# KiCad board 32-channel_current_source.kicad_pcb (continued)
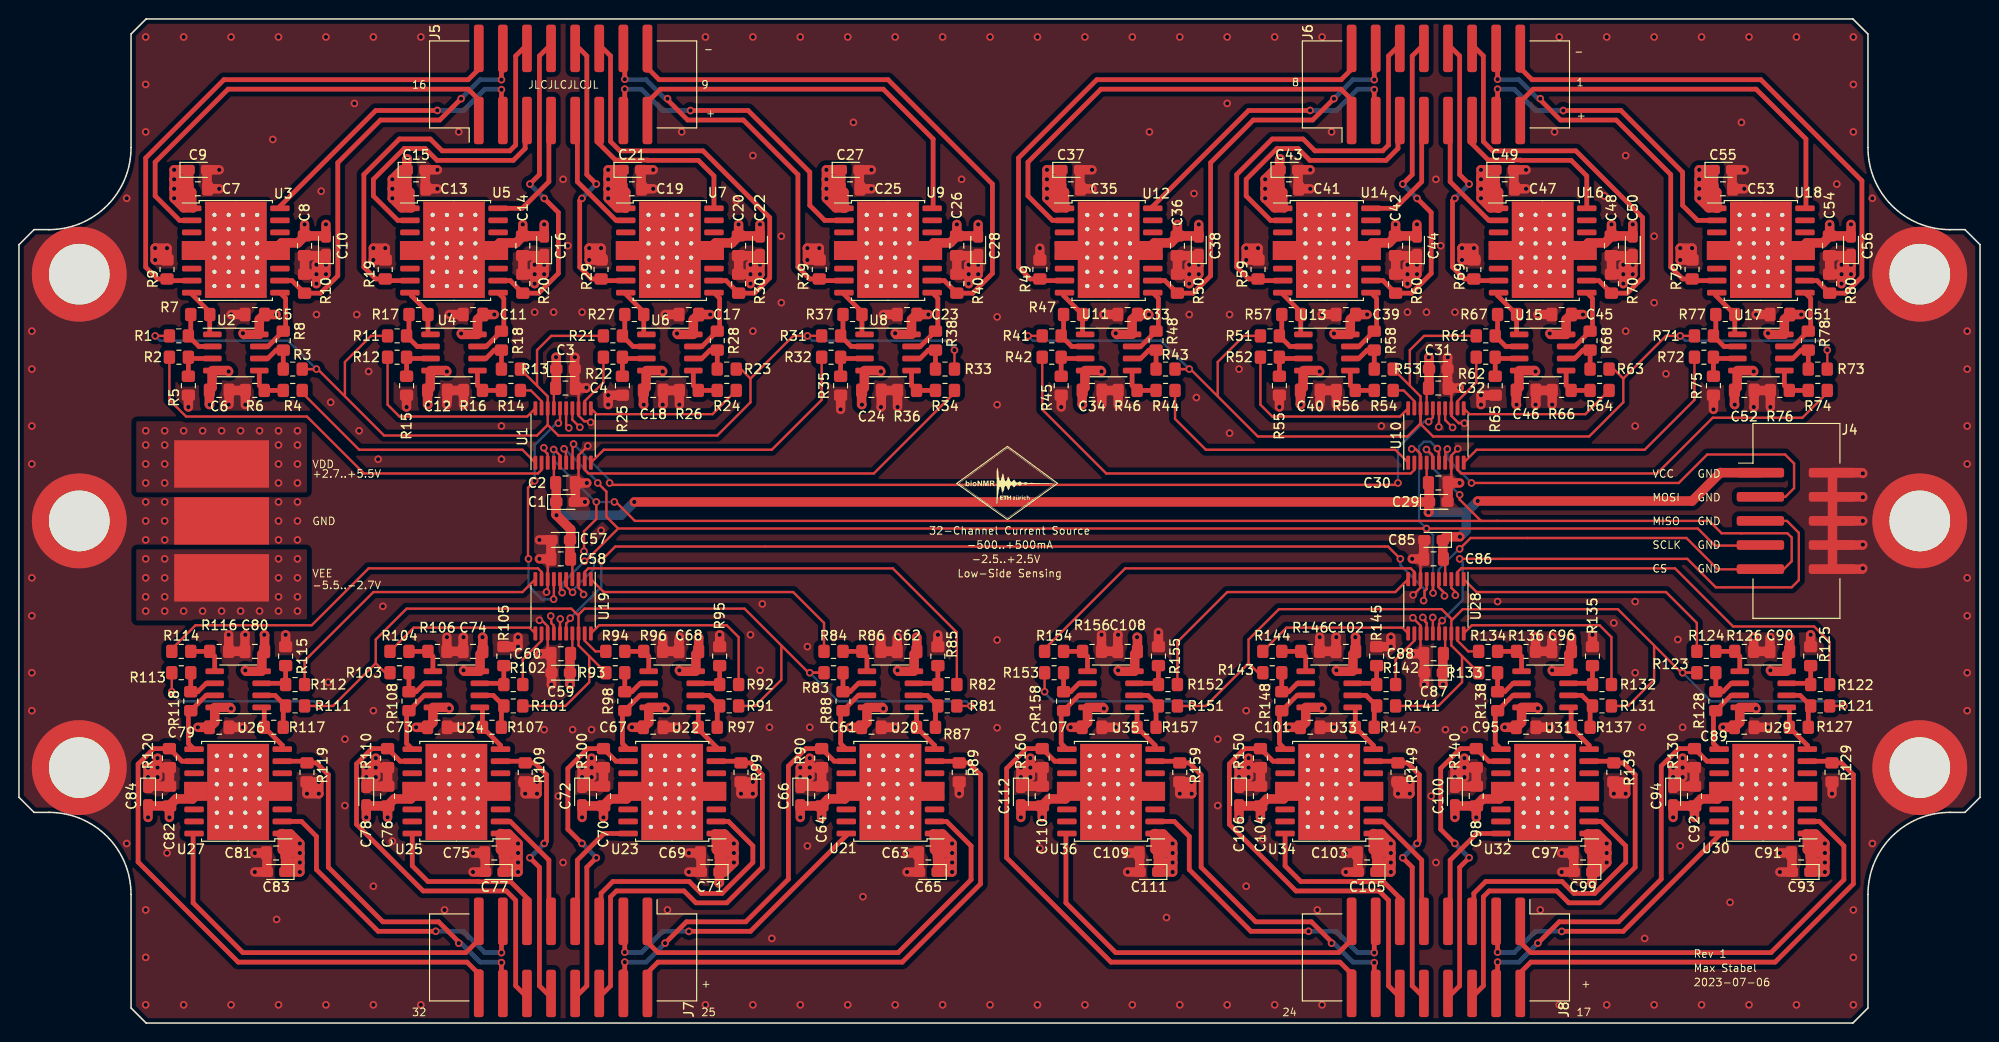
[diagram p0: board, top side]
## Placement (name value [footprint] x y rotation side) (continued)
U13  LMV358  [SOIC-8_3.9x4.9mm_P1.27mm]  137.86 70.67 0 top
U14  NCV0372  [SOIC-16W_7.5x10.3mm_P1.27mm_ThermalVias]  137.86 81.42 0 top
U15  LMV358  [SOIC-8_3.9x4.9mm_P1.27mm]  160.61 70.67 0 top
U16  NCV0372  [SOIC-16W_7.5x10.3mm_P1.27mm_ThermalVias]  160.61 81.42 0 top
U17  LMV358  [SOIC-8_3.9x4.9mm_P1.27mm]  183.61 70.67 0 top
U18  NCV0372  [SOIC-16W_7.5x10.3mm_P1.27mm_ThermalVias]  183.61 81.42 0 top
U19  AD5676R  [TSSOP-20_4.4x6.5mm_P0.65mm]  57.36 43.92 270 top
U20  LMV358  [SOIC-8_3.9x4.9mm_P1.27mm]  91.86 35.17 180 top
U21  NCV0372  [SOIC-16W_7.5x10.3mm_P1.27mm_ThermalVias]  91.86 24.42 180 top
U22  LMV358  [SOIC-8_3.9x4.9mm_P1.27mm]  68.86 35.17 180 top
U23  NCV0372  [SOIC-16W_7.5x10.3mm_P1.27mm_ThermalVias]  68.86 24.42 180 top
U24  LMV358  [SOIC-8_3.9x4.9mm_P1.27mm]  46.11 35.17 180 top
U25  NCV0372  [SOIC-16W_7.5x10.3mm_P1.27mm_ThermalVias]  46.11 24.42 180 top
U26  LMV358  [SOIC-8_3.9x4.9mm_P1.27mm]  23.11 35.17 180 top
U27  NCV0372  [SOIC-16W_7.5x10.3mm_P1.27mm_ThermalVias]  23.11 24.42 180 top
U28  AD5676R  [TSSOP-20_4.4x6.5mm_P0.65mm]  149.36 43.92 270 top
U29  LMV358  [SOIC-8_3.9x4.9mm_P1.27mm]  183.86 35.17 180 top
U30  NCV0372  [SOIC-16W_7.5x10.3mm_P1.27mm_ThermalVias]  183.86 24.42 180 top
U31  LMV358  [SOIC-8_3.9x4.9mm_P1.27mm]  160.86 35.17 180 top
U32  NCV0372  [SOIC-16W_7.5x10.3mm_P1.27mm_ThermalVias]  160.86 24.42 180 top
U33  LMV358  [SOIC-8_3.9x4.9mm_P1.27mm]  138.11 35.17 180 top
U34  NCV0372  [SOIC-16W_7.5x10.3mm_P1.27mm_ThermalVias]  138.11 24.42 180 top
U35  LMV358  [SOIC-8_3.9x4.9mm_P1.27mm]  115.11 35.17 180 top
U36  NCV0372  [SOIC-16W_7.5x10.3mm_P1.27mm_ThermalVias]  115.11 24.42 180 top

## Library data of the parts
C1 C3 C9 C10 C15 C16 C21 C22 C27-C29 C31 C37 C38 C43 C44 C49 C50 C55-C57 C59 C65 C66 C71 C72 C77 C78 C83-C85 C87 C93 C94 C99 C100 C105 C106 C111 C112 = -: Description: Polarized capacitor; MPN: TMCP1A106KTRF; Mouser: 74-TMCP1A106KTRF; Notes: Tantalum Bead
C2 C4-C8 C11-C14 C17-C20 C23-C26 C30 C32-C36 C39-C42 C45-C48 C51-C54 C58 C60-C64 C67-C70 C73-C76 C79-C82 C86 C88-C92 C95-C98 C101-C104 C107-C110 = -: Description: Unpolarized capacitor; MPN: 0805ZD104KAT2A; Mouser: 581-0805ZD104KAT2A; Notes: ceramic, low ESR, low ESI
H1-H6 = -: Description: Mounting Hole with connection
J1-J3 = -: Description: Generic connector, single row, 01x01, script generated (kicad-library-utils/schlib/autogen/connector/)
J4 = -: Description: Generic connector, double row, 02x05, odd/even pin numbering scheme (row 1 odd numbers, row 2 even numbers), script generated (kicad-library-utils/schlib/autogen/connector/)
J5-J8 = -: Description: Generic connector, double row, 02x08, odd/even pin numbering scheme (row 1 odd numbers, row 2 even numbers), script generated (kicad-library-utils/schlib/autogen/connector/); DigiKey: S9187-ND; MPN: SBH11-NBPC-D08-SM-BK
R1 R3 R11 R13 R21 R23 R31 R33 R41 R43 R51 R53 R61 R63 R71 R73 R81 R83 R91 R93 R101 R103 R111 R113 R121 R123 R131 R133 R141 R143 R151 R153 = -: Description: Resistor; MPN: RT0805FRE1310KL; Mouser: 603-RT0805FRE1310KL
R2 R4-R8 R12 R14-R18 R22 R24-R28 R32 R34-R38 R42 R44-R48 R52 R54-R58 R62 R64-R68 R72 R74-R78 R82 R84-R88 R92 R94-R98 R102 R104-R108 R112 R114-R118 R122 R124-R128 R132 R134-R138 R142 R144-R148 R152 R154-R158 = -: Description: Resistor
R9 R10 R19 R20 R29 R30 R39 R40 R49 R50 R59 R60 R69 R70 R79 R80 R89 R90 R99 R100 R109 R110 R119 R120 R129 R130 R139 R140 R149 R150 R159 R160 = -: Description: Resistor; MPN: ERJ-6DQF1R0V; Mouser: 667-ERJ-6DQF1R0V
U1 U10 U19 U28 = -: Description: 16-bit, octa-channel voltage output DAC with 2.5V 2ppm/K internal reference, SPI Interface
U2 U4 U6 U8 U11 U13 U15 U17 U20 U22 U24 U26 U29 U31 U33 U35 = -: Description: Dual Low-Voltage Rail-to-Rail Output Operational Amplifiers, SOIC-8/SSOP-8
U3 U5 U7 U9 U12 U14 U16 U18 U21 U23 U25 U27 U30 U32 U34 U36 = -: Description: Dual Power Operation Amplifier, SOIC-16W, 1.0 A Output Current; MPN: NCV0372BDWR2G; Mouser: 863-NCV0372BDWR2G

## Footprints (pads in the part's own frame, mm; a bottom-side part is the same pattern mirrored in y, then rotated)
C_0805_2012Metric_Pad1.18x1.45mm_HandSolder
  rrect 1.175x1.45 smd: 1(-1.038,0) 2(1.038,0)
CP_EIA-2012-15_AVX-P_Pad1.30x1.05mm_HandSolder
  rrect 1.3x1.05 smd: 1(-0.975,0) 2(0.975,0)
IDC-Header_2x05_P2.54mm_Vertical_SMD
  rrect 5x1.02 smd: 1(-3.8,5.08) 2(3.8,5.08) 3(-3.8,2.54) 4(3.8,2.54) 5(-3.8,0) 6(3.8,0) 7(-3.8,-2.54) 8(3.8,-2.54) 9(-3.8,-5.08) 10(3.8,-5.08)
IDC-Header_2x08_P2.54mm_Vertical_SMD
  rrect 5x1.02 smd: 1(-3.8,8.89) 2(3.8,8.89) 3(-3.8,6.35) 4(3.8,6.35) 5(-3.8,3.81) 6(3.8,3.81) 7(-3.8,1.27) 8(3.8,1.27) 9(-3.8,-1.27) 10(3.8,-1.27) 11(-3.8,-3.81) 12(3.8,-3.81) 13(-3.8,-6.35) 14(3.8,-6.35) 15(-3.8,-8.89) 16(3.8,-8.89)
MountingHole_6.4mm_M6_ISO14580_Pad
  round 10 hole 6.4: 1(0,0)
R_0805_2012Metric_Pad1.20x1.40mm_HandSolder
  rrect 1.2x1.4 smd: 1(-1,0) 2(1,0)
SOIC-8_3.9x4.9mm_P1.27mm
  rrect 1.95x0.6 smd: 1(-2.475,1.905) 2(-2.475,0.635) 3(-2.475,-0.635) 4(-2.475,-1.905) 5(2.475,-1.905) 6(2.475,-0.635) 7(2.475,0.635) 8(2.475,1.905)
SOIC-16W_7.5x10.3mm_P1.27mm_ThermalVias
  rrect 2.05x0.6 smd: 1(-4.65,4.445) 2(-4.65,3.175) 3(-4.65,1.905) 4(-4.65,0.635) 4(-4.65,-0.635) 4(4.65,0.635) 4(4.65,-0.635) 6(-4.65,-1.905) 7(-4.65,-3.175) 8(-4.65,-4.445) 9(4.65,-4.445) 10(4.65,-3.175) 11(4.65,-1.905) 14(4.65,1.905) 15(4.65,3.175) 16(4.65,4.445)
  rect 2.6x2 smd: 4(-4.4,0)
  round 0.8 hole 0.45: 4(-2.25,3.75) 4(-2.25,2.25) 4(-2.25,0.75) 4(-2.25,-0.75) 4(-2.25,-2.25) 4(-2.25,-3.75) 4(-0.75,3.75) 4(-0.75,2.25) 4(-0.75,0.75) 4(-0.75,-0.75) 4(-0.75,-2.25) 4(-0.75,-3.75) 4(0.75,3.75) 4(0.75,2.25) 4(0.75,0.75) 4(0.75,-0.75) 4(0.75,-2.25) 4(0.75,-3.75) 4(2.25,3.75) 4(2.25,2.25) 4(2.25,0.75) 4(2.25,-0.75) 4(2.25,-2.25) 4(2.25,-3.75)
  rect 6.5x10.15 smd: 4(0,0.075)
  rect 6.5x10.15 smd far side: 4(0,0.075)
  rect 2.5x2 smd: 4(4.45,0)
SolderWirePad_1x01_SMD_5x10mm
  rect 5x10 smd: 1(0,0)
TSSOP-20_4.4x6.5mm_P0.65mm
  rrect 1.475x0.4 smd: 1(-2.862,2.925) 2(-2.862,2.275) 3(-2.862,1.625) 4(-2.862,0.975) 5(-2.862,0.325) 6(-2.862,-0.325) 7(-2.862,-0.975) 8(-2.862,-1.625) 9(-2.862,-2.275) 10(-2.862,-2.925) 11(2.862,-2.925) 12(2.862,-2.275) 13(2.862,-1.625) 14(2.862,-0.975) 15(2.862,-0.325) 16(2.862,0.325) 17(2.862,0.975) 18(2.862,1.625) 19(2.862,2.275) 20(2.862,2.925)

## Nets
GND: C1.2 C2.2 C3.2 C4.2 C5.2 C6.1 C7.2 C8.1 C9.2 C10.1 C11.2 C12.1 C13.2 C14.1 C15.2 C16.1 C17.2 C18.1 C19.2 C20.1 C21.2 C22.1 C23.2 C24.1 C25.2 C26.1 C27.2 C28.1 C29.2 C30.2 C31.2 C32.2 C33.2 C34.1 C35.2 C36.1 C37.2 C38.1 C39.2 C40.1 C41.2 C42.1 C43.2 C44.1 C45.2 C46.1 C47.2 C48.1 C49.2 C50.1 C51.2 C52.1 C53.2 C54.1 C55.2 C56.1 C57.2 C58.2 C59.2 C60.2 C61.2 C62.1 C63.2 C64.1 C65.2 C66.1 C67.2 C68.1 C69.2 C70.1 C71.2 C72.1 C73.2 C74.1 C75.2 C76.1 C77.2 C78.1 C79.2 C80.1 C81.2 C82.1 C83.2 C84.1 C85.2 C86.2 C87.2 C88.2 C89.2 C90.1 C91.2 C92.1 C93.2 C94.1 C95.2 C96.1 C97.2 C98.1 C99.2 C100.1 C101.2 C102.1 C103.2 C104.1 C105.2 C106.1 C107.2 C108.1 C109.2 C110.1 C111.2 C112.1 H1.1 H2.1 H3.1 H4.1 H5.1 H6.1 J2.1 J4.2 J4.4 J4.6 J4.8 J4.10 R5.2 R6.2 R9.2 R10.2 R15.2 R16.2 R19.2 R20.2 R25.2 R26.2 R29.2 R30.2 R35.2 R36.2 R39.2 R40.2 R45.2 R46.2 R49.2 R50.2 R55.2 R56.2 R59.2 R60.2 R65.2 R66.2 R69.2 R70.2 R75.2 R76.2 R79.2 R80.2 R85.2 R86.2 R89.2 R90.2 R95.2 R96.2 R99.2 R100.2 R105.2 R106.2 R109.2 R110.2 R115.2 R116.2 R119.2 R120.2 R125.2 R126.2 R129.2 R130.2 R135.2 R136.2 R139.2 R140.2 R145.2 R146.2 R149.2 R150.2 R155.2 R156.2 R159.2 R160.2 U1.8 U1.13 U1.15 U10.8 U10.13 U10.15 U19.8 U19.13 U19.15 U28.8 U28.13 U28.15
VCC: C1.1 C2.1 C29.1 C30.1 C57.1 C58.1 C85.1 C86.1 J4.1 U1.4 U10.4 U19.4 U28.4
VDD: C3.1 C4.1 C5.1 C7.1 C9.1 C11.1 C13.1 C15.1 C17.1 C19.1 C21.1 C23.1 C25.1 C27.1 C31.1 C32.1 C33.1 C35.1 C37.1 C39.1 C41.1 C43.1 C45.1 C47.1 C49.1 C51.1 C53.1 C55.1 C59.1 C60.1 C61.1 C63.1 C65.1 C67.1 C69.1 C71.1 C73.1 C75.1 C77.1 C79.1 C81.1 C83.1 C87.1 C88.1 C89.1 C91.1 C93.1 C95.1 C97.1 C99.1 C101.1 C103.1 C105.1 C107.1 C109.1 C111.1 J1.1 U1.3 U1.14 U1.17 U2.8 U3.1 U4.8 U5.1 U6.8 U7.1 U8.8 U9.1 U10.3 U10.14 U10.17 U11.8 U12.1 U13.8 U14.1 U15.8 U16.1 U17.8 U18.1 U19.3 U19.14 U19.17 U20.8 U21.1 U22.8 U23.1 U24.8 U25.1 U26.8 U27.1 U28.3 U28.14 U28.17 U29.8 U30.1 U31.8 U32.1 U33.8 U34.1 U35.8 U36.1
VEE: C6.2 C8.2 C10.2 C12.2 C14.2 C16.2 C18.2 C20.2 C22.2 C24.2 C26.2 C28.2 C34.2 C36.2 C38.2 C40.2 C42.2 C44.2 C46.2 C48.2 C50.2 C52.2 C54.2 C56.2 C62.2 C64.2 C66.2 C68.2 C70.2 C72.2 C74.2 C76.2 C78.2 C80.2 C82.2 C84.2 C90.2 C92.2 C94.2 C96.2 C98.2 C100.2 C102.2 C104.2 C106.2 C108.2 C110.2 C112.2 J3.1 U2.4 U3.4 U4.4 U5.4 U6.4 U7.4 U8.4 U9.4 U11.4 U12.4 U13.4 U14.4 U15.4 U16.4 U17.4 U18.4 U20.4 U21.4 U22.4 U23.4 U24.4 U25.4 U26.4 U27.4 U29.4 U30.4 U31.4 U32.4 U33.4 U34.4 U35.4 U36.4
/8-channel_current_source1/I_{OUT0+}: J5.1 U3.2
/8-channel_current_source1/I_{OUT0-}: J5.2 R9.1 U3.7
/8-channel_current_source1/I_{OUT1+}: J5.3 U3.16
/8-channel_current_source1/I_{OUT1-}: J5.4 R10.1 U3.10
/8-channel_current_source1/I_{OUT2+}: J5.5 U5.2
/8-channel_current_source1/I_{OUT2-}: J5.6 R19.1 U5.7
/8-channel_current_source1/I_{OUT3+}: J5.7 U5.16
/8-channel_current_source1/I_{OUT3-}: J5.8 R20.1 U5.10
/8-channel_current_source1/I_{OUT4+}: J5.9 U7.2
/8-channel_current_source1/I_{OUT4-}: J5.10 R29.1 U7.7
/8-channel_current_source1/I_{OUT5+}: J5.11 U7.16
/8-channel_current_source1/I_{OUT5-}: J5.12 R30.1 U7.10
/8-channel_current_source1/I_{OUT6+}: J5.13 U9.2
/8-channel_current_source1/I_{OUT6-}: J5.14 R39.1 U9.7
/8-channel_current_source1/I_{OUT7+}: J5.15 U9.16
/8-channel_current_source1/I_{OUT7-}: J5.16 R40.1 U9.10
/8-channel_current_source1/SDO: U1.16 U19.7
/8-channel_current_source1/v-i_converter1/V_{INA}: R2.1 U1.2
/8-channel_current_source1/v-i_converter1/V_{INB}: R4.1 U1.1
/8-channel_current_source1/v-i_converter2/V_{INA}: R12.1 U1.20
/8-channel_current_source1/v-i_converter2/V_{INB}: R14.1 U1.19
/8-channel_current_source1/v-i_converter3/V_{INA}: R22.1 U1.12
/8-channel_current_source1/v-i_converter3/V_{INB}: R24.1 U1.11
/8-channel_current_source1/v-i_converter4/V_{INA}: R32.1 U1.10
/8-channel_current_source1/v-i_converter4/V_{INB}: R34.1 U1.9
/8-channel_current_source1/VREF: R1.1 R3.1 R11.1 R13.1 R21.1 R23.1 R31.1 R33.1 U1.18
/8-channel_current_source2/I_{OUT0+}: J7.1 U21.2
/8-channel_current_source2/I_{OUT0-}: J7.2 R89.1 U21.7
/8-channel_current_source2/I_{OUT1+}: J7.3 U21.16
/8-channel_current_source2/I_{OUT1-}: J7.4 R90.1 U21.10
/8-channel_current_source2/I_{OUT2+}: J7.5 U23.2
/8-channel_current_source2/I_{OUT2-}: J7.6 R99.1 U23.7
/8-channel_current_source2/I_{OUT3+}: J7.7 U23.16
/8-channel_current_source2/I_{OUT3-}: J7.8 R100.1 U23.10
/8-channel_current_source2/I_{OUT4+}: J7.9 U25.2
/8-channel_current_source2/I_{OUT4-}: J7.10 R109.1 U25.7
/8-channel_current_source2/I_{OUT5+}: J7.11 U25.16
/8-channel_current_source2/I_{OUT5-}: J7.12 R110.1 U25.10
/8-channel_current_source2/I_{OUT6+}: J7.13 U27.2
/8-channel_current_source2/I_{OUT6-}: J7.14 R119.1 U27.7
/8-channel_current_source2/I_{OUT7+}: J7.15 U27.16
/8-channel_current_source2/I_{OUT7-}: J7.16 R120.1 U27.10
/8-channel_current_source2/SDO: U19.16 U28.7
/8-channel_current_source2/v-i_converter1/V_{INA}: R82.1 U19.2
/8-channel_current_source2/v-i_converter1/V_{INB}: R84.1 U19.1
/8-channel_current_source2/v-i_converter2/V_{INA}: R92.1 U19.20
/8-channel_current_source2/v-i_converter2/V_{INB}: R94.1 U19.19
/8-channel_current_source2/v-i_converter3/V_{INA}: R102.1 U19.12
/8-channel_current_source2/v-i_converter3/V_{INB}: R104.1 U19.11
/8-channel_current_source2/v-i_converter4/V_{INA}: R112.1 U19.10
/8-channel_current_source2/v-i_converter4/V_{INB}: R114.1 U19.9
/8-channel_current_source2/VREF: R81.1 R83.1 R91.1 R93.1 R101.1 R103.1 R111.1 R113.1 U19.18
/8-channel_current_source3/I_{OUT0+}: J8.1 U30.2
/8-channel_current_source3/I_{OUT0-}: J8.2 R129.1 U30.7
/8-channel_current_source3/I_{OUT1+}: J8.3 U30.16
/8-channel_current_source3/I_{OUT1-}: J8.4 R130.1 U30.10
/8-channel_current_source3/I_{OUT2+}: J8.5 U32.2
/8-channel_current_source3/I_{OUT2-}: J8.6 R139.1 U32.7
/8-channel_current_source3/I_{OUT3+}: J8.7 U32.16
/8-channel_current_source3/I_{OUT3-}: J8.8 R140.1 U32.10
/8-channel_current_source3/I_{OUT4+}: J8.9 U34.2
/8-channel_current_source3/I_{OUT4-}: J8.10 R149.1 U34.7
/8-channel_current_source3/I_{OUT5+}: J8.11 U34.16
/8-channel_current_source3/I_{OUT5-}: J8.12 R150.1 U34.10
/8-channel_current_source3/I_{OUT6+}: J8.13 U36.2
/8-channel_current_source3/I_{OUT6-}: J8.14 R159.1 U36.7
/8-channel_current_source3/I_{OUT7+}: J8.15 U36.16
/8-channel_current_source3/I_{OUT7-}: J8.16 R160.1 U36.10
/8-channel_current_source3/v-i_converter1/V_{INA}: R122.1 U28.2
/8-channel_current_source3/v-i_converter1/V_{INB}: R124.1 U28.1
/8-channel_current_source3/v-i_converter2/V_{INA}: R132.1 U28.20
/8-channel_current_source3/v-i_converter2/V_{INB}: R134.1 U28.19
/8-channel_current_source3/v-i_converter3/V_{INA}: R142.1 U28.12
/8-channel_current_source3/v-i_converter3/V_{INB}: R144.1 U28.11
/8-channel_current_source3/v-i_converter4/V_{INA}: R152.1 U28.10
/8-channel_current_source3/v-i_converter4/V_{INB}: R154.1 U28.9
/8-channel_current_source3/VREF: R121.1 R123.1 R131.1 R133.1 R141.1 R143.1 R151.1 R153.1 U28.18
/8-channel_current_source/I_{OUT0+}: J6.1 U12.2
/8-channel_current_source/I_{OUT0-}: J6.2 R49.1 U12.7
/8-channel_current_source/I_{OUT1+}: J6.3 U12.16
/8-channel_current_source/I_{OUT1-}: J6.4 R50.1 U12.10
/8-channel_current_source/I_{OUT2+}: J6.5 U14.2
/8-channel_current_source/I_{OUT2-}: J6.6 R59.1 U14.7
/8-channel_current_source/I_{OUT3+}: J6.7 U14.16
/8-channel_current_source/I_{OUT3-}: J6.8 R60.1 U14.10
/8-channel_current_source/I_{OUT4+}: J6.9 U16.2
/8-channel_current_source/I_{OUT4-}: J6.10 R69.1 U16.7
/8-channel_current_source/I_{OUT5+}: J6.11 U16.16
/8-channel_current_source/I_{OUT5-}: J6.12 R70.1 U16.10
/8-channel_current_source/I_{OUT6+}: J6.13 U18.2
/8-channel_current_source/I_{OUT6-}: J6.14 R79.1 U18.7
/8-channel_current_source/I_{OUT7+}: J6.15 U18.16
/8-channel_current_source/I_{OUT7-}: J6.16 R80.1 U18.10
/8-channel_current_source/SDO: U1.7 U10.16
/8-channel_current_source/v-i_converter1/V_{INA}: R42.1 U10.2
/8-channel_current_source/v-i_converter1/V_{INB}: R44.1 U10.1
/8-channel_current_source/v-i_converter2/V_{INA}: R52.1 U10.20
/8-channel_current_source/v-i_converter2/V_{INB}: R54.1 U10.19
/8-channel_current_source/v-i_converter3/V_{INA}: R62.1 U10.12
/8-channel_current_source/v-i_converter3/V_{INB}: R64.1 U10.11
/8-channel_current_source/v-i_converter4/V_{INA}: R72.1 U10.10
/8-channel_current_source/v-i_converter4/V_{INB}: R74.1 U10.9
/8-channel_current_source/VREF: R41.1 R43.1 R51.1 R53.1 R61.1 R63.1 R71.1 R73.1 U10.18
/CS: J4.9 U1.5 U10.5 U19.5 U28.5
/MISO: J4.5 U28.16
/MOSI: J4.3 U10.7
/SCLK: J4.7 U1.6 U10.6 U19.6 U28.6
Net-(U2A-+): R2.2 R5.1 U2.3
Net-(U2A--): R1.2 R7.1 U2.2
Net-(U2B-+): R4.2 R6.1 U2.5
Net-(U2B--): R3.2 R8.1 U2.6
Net-(U3A-+): R8.2 U2.7 U3.9
Net-(U3B-+): R7.2 U2.1 U3.8
Net-(U4A-+): R12.2 R15.1 U4.3
Net-(U4A--): R11.2 R17.1 U4.2
Net-(U4B-+): R14.2 R16.1 U4.5
Net-(U4B--): R13.2 R18.1 U4.6
Net-(U5A-+): R18.2 U4.7 U5.9
Net-(U5B-+): R17.2 U4.1 U5.8
Net-(U6A-+): R22.2 R25.1 U6.3
Net-(U6A--): R21.2 R27.1 U6.2
Net-(U6B-+): R24.2 R26.1 U6.5
Net-(U6B--): R23.2 R28.1 U6.6
Net-(U7A-+): R28.2 U6.7 U7.9
Net-(U7B-+): R27.2 U6.1 U7.8
Net-(U8A-+): R32.2 R35.1 U8.3
Net-(U8A--): R31.2 R37.1 U8.2
Net-(U8B-+): R34.2 R36.1 U8.5
Net-(U8B--): R33.2 R38.1 U8.6
Net-(U9A-+): R38.2 U8.7 U9.9
Net-(U9B-+): R37.2 U8.1 U9.8
Net-(U11A-+): R42.2 R45.1 U11.3
Net-(U11A--): R41.2 R47.1 U11.2
Net-(U11B-+): R44.2 R46.1 U11.5
Net-(U11B--): R43.2 R48.1 U11.6
Net-(U12A-+): R48.2 U11.7 U12.9
Net-(U12B-+): R47.2 U11.1 U12.8
Net-(U13A-+): R52.2 R55.1 U13.3
Net-(U13A--): R51.2 R57.1 U13.2
Net-(U13B-+): R54.2 R56.1 U13.5
Net-(U13B--): R53.2 R58.1 U13.6
Net-(U14A-+): R58.2 U13.7 U14.9
Net-(U14B-+): R57.2 U13.1 U14.8
Net-(U15A-+): R62.2 R65.1 U15.3
Net-(U15A--): R61.2 R67.1 U15.2
Net-(U15B-+): R64.2 R66.1 U15.5
Net-(U15B--): R63.2 R68.1 U15.6
Net-(U16A-+): R68.2 U15.7 U16.9
Net-(U16B-+): R67.2 U15.1 U16.8
Net-(U17A-+): R72.2 R75.1 U17.3
Net-(U17A--): R71.2 R77.1 U17.2
Net-(U17B-+): R74.2 R76.1 U17.5
Net-(U17B--): R73.2 R78.1 U17.6
Net-(U18A-+): R78.2 U17.7 U18.9
Net-(U18B-+): R77.2 U17.1 U18.8
Net-(U20A-+): R82.2 R85.1 U20.3
Net-(U20A--): R81.2 R87.1 U20.2
Net-(U20B-+): R84.2 R86.1 U20.5
Net-(U20B--): R83.2 R88.1 U20.6
Net-(U21A-+): R88.2 U20.7 U21.9
Net-(U21B-+): R87.2 U20.1 U21.8
Net-(U22A-+): R92.2 R95.1 U22.3
Net-(U22A--): R91.2 R97.1 U22.2
Net-(U22B-+): R94.2 R96.1 U22.5
Net-(U22B--): R93.2 R98.1 U22.6
Net-(U23A-+): R98.2 U22.7 U23.9
Net-(U23B-+): R97.2 U22.1 U23.8
Net-(U24A-+): R102.2 R105.1 U24.3
Net-(U24A--): R101.2 R107.1 U24.2
Net-(U24B-+): R104.2 R106.1 U24.5
Net-(U24B--): R103.2 R108.1 U24.6
Net-(U25A-+): R108.2 U24.7 U25.9
Net-(U25B-+): R107.2 U24.1 U25.8
Net-(U26A-+): R112.2 R115.1 U26.3
Net-(U26A--): R111.2 R117.1 U26.2
Net-(U26B-+): R114.2 R116.1 U26.5
Net-(U26B--): R113.2 R118.1 U26.6
Net-(U27A-+): R118.2 U26.7 U27.9
Net-(U27B-+): R117.2 U26.1 U27.8
Net-(U29A-+): R122.2 R125.1 U29.3
Net-(U29A--): R121.2 R127.1 U29.2
Net-(U29B-+): R124.2 R126.1 U29.5
Net-(U29B--): R123.2 R128.1 U29.6
Net-(U30A-+): R128.2 U29.7 U30.9
Net-(U30B-+): R127.2 U29.1 U30.8
Net-(U31A-+): R132.2 R135.1 U31.3
Net-(U31A--): R131.2 R137.1 U31.2
Net-(U31B-+): R134.2 R136.1 U31.5
Net-(U31B--): R133.2 R138.1 U31.6
Net-(U32A-+): R138.2 U31.7 U32.9
Net-(U32B-+): R137.2 U31.1 U32.8
Net-(U33A-+): R142.2 R145.1 U33.3
Net-(U33A--): R141.2 R147.1 U33.2
Net-(U33B-+): R144.2 R146.1 U33.5
Net-(U33B--): R143.2 R148.1 U33.6
Net-(U34A-+): R148.2 U33.7 U34.9
Net-(U34B-+): R147.2 U33.1 U34.8
Net-(U35A-+): R152.2 R155.1 U35.3
Net-(U35A--): R151.2 R157.1 U35.2
Net-(U35B-+): R154.2 R156.1 U35.5
Net-(U35B--): R153.2 R158.1 U35.6
Net-(U36A-+): R158.2 U35.7 U36.9
Net-(U36B-+): R157.2 U35.1 U36.8

Pads without a net: U3 3 6 11 14 15; U5 3 6 11 14 15; U7 3 6 11 14 15; U9 3 6 11 14 15; U12 3 6 11 14 15; U14 3 6 11 14 15; U16 3 6 11 14 15; U18 3 6 11 14 15; U21 3 6 11 14 15; U23 3 6 11 14 15; U25 3 6 11 14 15; U27 3 6 11 14 15; U30 3 6 11 14 15; U32 3 6 11 14 15; U34 3 6 11 14 15; U36 3 6 11 14 15

## Via types
v1: diameter 0.8, hole 0.45, Front to Back, 768 vias

## Routing (per net, layer and track width the routed paths; a pad name or vN(x,y) marks a point on that pad's centre or on a via; arc(x,y) is an arc through that point)
GND: length 585.4
  Front w0.25: 147.76,41.02 147.76,41.86 146.92,42.7 v1(146.92,42.71) ; v1(151.66,60.52) 151.66,60.49 150.96,59.79 150.96,59.02 ; 58.98,66.54 U1.13 58.98,64.02 59.58,63.42 60.16,63.42 v1(60.26,63.32) ; U19.15 57.03,42.56 v1(57.06,42.59) ; 147.73,39.29 U28.13 147.73,41.81 ; U10.15 149.68,62.84 v1(149.66,62.82) ; 57.68,64.78 57.68,63 v1(57.96,62.72) ; 147.16,45.12 v1(146.96,45.12) 147.73,45.89 U28.8 147.73,48.54 ; U10.13 150.98,63.99 151.76,63.22 152.26,63.22 ; U10.13 150.98,66.54 ; U10.13 150.98,64.02 ; 55.86,45.42 55.73,45.54 ; 55.73,45.54 v1(55.61,45.42) ; 55.73,45.54 U19.8 55.73,48.54 ; U10.8 150.98,57.29 ; 58.98,57.29 U1.8 58.98,59.84 v1(59.96,60.82) ; 55.73,39.29 U19.13 55.73,41.81 55.1,42.44 v1(54.86,42.44) ; 149.03,42.61 U28.15
  Front w0.5: v1(13.61,26.92) 13.61,26.17 13.64,26.13 ; 128.64,26.13 128.61,26.17 v1(128.61,26.92) ; v1(36.61,26.92) 36.61,26.17 36.64,26.13 ; v1(151.36,26.92) 151.36,26.17 151.39,26.13 ; v1(78.11,78.92) 78.11,79.67 78.07,79.71 ; 55.32,79.71 55.36,79.67 v1(55.36,78.92) ; v1(82.36,26.92) 82.36,26.17 82.39,26.13 ; 170.07,79.71 170.11,79.67 v1(170.11,78.92) ; v1(101.11,78.92) 101.11,79.67 101.07,79.71 ; v1(105.61,26.92) 105.61,26.17 105.64,26.13 ; 59.39,26.13 59.36,26.17 v1(59.36,26.92) ; v1(193.11,78.92) 193.11,79.67 193.07,79.71 ; 32.32,79.71 32.36,79.67 v1(32.36,78.92) ; v1(147.36,78.92) 147.36,79.67 147.32,79.71 ; 174.39,26.13 174.36,26.17 v1(174.36,26.92) ; 124.32,79.71 124.36,79.67 v1(124.36,78.92) ; 114.14,65.21 v1(114.11,65.17) ; 184.57,40.63 v1(184.61,40.67) ; 22.14,65.21 v1(22.11,65.17) ; 92.57,40.63 v1(92.61,40.67)
  Front w1: v1(54.36,78.92) R20.2 C14.1 55.32,80.88 ; v1(54.36,78.92) v1(54.36,77.92) ; v1(54.36,78.92) v1(54.36,79.92) v1(55.36,79.92) ; v1(54.36,78.92) v1(55.36,78.92) v1(55.36,79.92) ; v1(182.86,64.92) 182.89,64.96 C52.1 R76.2 v1(184.61,64.92) ; R35.2 v1(86.61,64.67) ; R15.2 v1(40.86,64.92) ; R29.2 v1(60.11,80.42) v1(60.11,81.67) ; R29.2 v1(60.11,81.67) ; R29.2 v1(61.36,81.67) v1(60.11,81.67) ; R29.2 61.61,80.42 ; v1(45.36,74.67) 46.86,74.67 ; R19.2 v1(37.36,81.67) v1(38.61,81.67) R19.2 ; R19.2 v1(37.36,80.42) 37.36,81.42 ; v1(21.11,89.92) C9.2 19.83,87.94 ; v1(31.36,78.92) v1(31.36,79.92) v1(32.36,79.92) ; v1(31.36,78.92) v1(32.36,78.92) v1(32.36,79.92) ; v1(31.36,78.92) v1(31.36,77.92) ; v1(31.36,78.92) R10.2 C8.1 32.32,80.88 ; v1(77.11,78.92) v1(77.11,77.92) ; v1(77.11,78.92) v1(77.11,79.92) v1(78.11,79.92) ; v1(77.11,78.92) R30.2 C20.1 78.07,80.88 ; v1(77.11,78.92) v1(78.11,78.92) v1(78.11,79.92) ; 13.61,24.89 v1(13.61,25.92) ; v1(13.61,25.92) v1(14.61,25.92) v1(14.61,26.92) ; v1(13.61,25.92) v1(13.61,26.92) v1(14.61,26.92) ; v1(78.11,79.92) C22.1 ; R59.2 v1(129.36,80.42) 129.36,81.42 ; R59.2 v1(130.61,81.67) v1(129.36,81.67) R59.2 ; v1(69.61,40.67) 69.61,40.24 69.57,40.21 C68.1 R96.2 v1(67.86,40.67) ; 58.58,66.94 C3.2 58.58,70.14 v1(58.61,70.17) ; v1(106.61,26.92) v1(106.61,25.92) v1(105.61,25.92) ; v1(106.61,26.92) v1(106.61,27.92) ; v1(106.61,26.92) v1(105.61,26.92) v1(105.61,25.92) ; v1(106.61,26.92) R160.2 C110.1 105.64,24.96 ; v1(115.86,40.92) 115.82,40.88 C108.1 R156.2 v1(114.11,40.92) ; v1(54.86,50.92) C57.2 ; v1(56.11,35.67) 56.13,35.69 C59.2 56.13,38.89 ; v1(161.61,40.67) 161.61,40.24 161.57,40.21 C96.1 R136.2 v1(159.86,40.67) ; v1(66.86,89.92) C21.2 65.58,87.94 ; R105.2 v1(52.61,39.67) v1(52.61,40.67) ; v1(55.36,79.92) C16.1 ; v1(150.61,70.17) 150.58,70.14 C31.2 150.58,66.94 ; v1(36.61,25.92) v1(36.61,26.92) v1(37.61,26.92) ; v1(36.61,25.92) 36.61,24.89 ; v1(36.61,25.92) v1(37.61,25.92) v1(37.61,26.92) ; C44.1 v1(147.36,79.92) ; v1(147.36,79.92) v1(147.36,78.92) v1(146.36,78.92) ; v1(147.36,79.92) v1(146.36,79.92) v1(146.36,78.92) ; v1(37.61,26.92) R110.2 C76.1 36.64,24.96 ; v1(37.61,26.92) v1(37.61,27.92) ; v1(123.61,24.17) v1(123.61,25.42) R159.2 ; v1(123.61,24.17) v1(122.36,24.17) R159.2 ; v1(123.61,24.17) R159.2 ; v1(194.36,50.42) 194.32,50.38 J4.8 ; v1(146.61,24.17) R149.2 ; v1(146.61,24.17) v1(145.36,24.17) R149.2 ; v1(146.61,24.17) v1(146.61,25.42) R149.2 ; R149.2 145.11,25.42 ; C94.1 v1(174.36,25.92) ; v1(174.36,25.92) v1(174.36,26.92) v1(175.36,26.92) ; v1(174.36,25.92) v1(175.36,25.92) v1(175.36,26.92) ; R39.2 v1(84.36,81.67) v1(83.11,81.67) ; R39.2 v1(83.11,81.67) ; R39.2 v1(83.11,80.42) v1(83.11,81.67) ; J4.2 194.28,58 v1(194.36,57.92) ; v1(22.11,40.92) R116.2 C80.1 23.82,40.88 v1(23.86,40.92) ; 42.83,87.94 C15.2 v1(44.11,89.92) ; 58.61,54.92 58.64,54.96 C2.2 v1(59.86,56.92) ; v1(14.36,81.67) R9.2 ; v1(14.36,81.67) v1(15.61,81.67) R9.2 ; v1(14.36,81.67) v1(14.36,80.42) R9.2 ; C1.2 58.58,54.92 v1(59.66,54.92) ; C56.1 v1(193.11,79.92) ; v1(193.11,79.92) v1(192.11,79.92) v1(192.11,78.92) ; v1(193.11,79.92) v1(193.11,78.92) v1(192.11,78.92) ; v1(83.36,26.92) R90.2 C64.1 82.39,24.96 ; v1(83.36,26.92) v1(83.36,25.92) v1(82.36,25.92) ; v1(83.36,26.92) v1(83.36,27.92) ; v1(83.36,26.92) v1(82.36,26.92) v1(82.36,25.92) ; v1(185.61,15.92) C93.2 186.88,17.89 ; v1(62.11,65.17) v1(62.11,66.17) R25.2 ; R145.2 v1(144.61,39.67) v1(144.61,40.67) ; v1(170.11,79.92) v1(170.11,78.92) v1(169.11,78.92) ; v1(170.11,79.92) C50.1 ; v1(170.11,79.92) v1(169.11,79.92) v1(169.11,78.92) ; v1(175.11,81.67) v1(175.11,80.42) R79.2 ; v1(175.11,81.67) R79.2 ; v1(175.11,81.67) v1(176.36,81.67) R79.2 ; v1(138.86,65.17) R56.2 C40.1 137.14,65.63 137.11,65.59 v1(137.11,65.17) ; J4.4 194.32,55.46 v1(194.36,55.42) ; R119.2 v1(31.61,25.42) v1(31.61,24.17) ; R119.2 v1(31.61,24.17) ; R119.2 v1(30.36,24.17) v1(31.61,24.17) ; 157.58,87.94 C49.2 v1(158.86,89.92) ; 22.14,65.21 C6.1 R6.2 v1(23.86,65.17) ; 92.57,40.63 C62.1 R86.2 v1(90.86,40.67) ; v1(184.36,31.17) 182.86,31.17 ; R95.2 v1(73.86,40.92) ; v1(175.36,26.92) v1(175.36,27.92) ; v1(175.36,26.92) R130.2 C92.1 174.39,24.96 ; v1(192.11,78.92) R80.2 C54.1 193.07,80.88 ; v1(192.11,78.92) v1(192.11,77.92) ; R45.2 v1(109.86,64.92) ; v1(92.61,64.92) R36.2 C24.1 90.89,64.96 v1(90.86,64.92) ; v1(32.36,79.92) C10.1 ; 151.39,24.96 C98.1 R140.2 v1(152.36,26.92) ; R69.2 v1(153.36,81.67) v1(152.11,81.67) ; R69.2 v1(152.11,80.42) v1(152.11,81.67) ; R69.2 153.61,80.42 ; R69.2 v1(152.11,81.67) ; v1(60.36,26.92) R100.2 C70.1 59.39,24.96 ; v1(60.36,26.92) v1(60.36,25.92) v1(59.36,25.92) ; v1(60.36,26.92) v1(59.36,26.92) v1(59.36,25.92) ; v1(60.36,26.92) v1(60.36,27.92) ; v1(14.61,26.92) R120.2 C82.1 13.64,24.96 ; v1(14.61,26.92) v1(14.61,27.92) ; 58.61,66.92 59.77,66.92 v1(59.81,66.96) ; v1(128.61,25.92) v1(129.61,25.92) v1(129.61,26.92) ; v1(128.61,25.92) 128.61,24.89 ; v1(128.61,25.92) v1(128.61,26.92) v1(129.61,26.92) ; 180.61,87.92 v1(181.86,87.92) ; v1(124.36,79.92) v1(124.36,78.92) v1(123.36,78.92) ; v1(124.36,79.92) C38.1 ; v1(124.36,79.92) v1(123.36,79.92) v1(123.36,78.92) ; v1(194.36,52.92) J4.6 ; v1(137.36,74.67) 138.86,74.67 ; C91.2 v1(185.61,17.92) ; v1(169.11,78.92) v1(169.11,77.92) ; v1(169.11,78.92) R70.2 C48.1 170.07,80.88 ; 71.86,17.92 v1(70.61,17.92) ; v1(161.61,65.17) R66.2 C46.1 159.89,65.21 v1(159.86,65.17) ; v1(89.86,89.92) C27.2 88.58,87.94 ; v1(101.11,79.92) v1(100.11,79.92) v1(100.11,78.92) ; v1(101.11,79.92) C28.1 ; v1(101.11,79.92) v1(101.11,78.92) v1(100.11,78.92) ; 169.36,24.42 v1(169.36,25.42) R139.2 ; v1(151.36,25.92) v1(152.36,25.92) v1(152.36,26.92) ; v1(151.36,25.92) C100.1 ; v1(151.36,25.92) v1(151.36,26.92) v1(152.36,26.92) ; v1(45.11,65.17) 45.11,65.59 45.14,65.63 C12.1 R16.2 v1(46.86,65.17) ; C35.2 v1(113.11,87.92) ; 148.11,50.92 148.07,50.88 C86.2 v1(146.86,48.92) ; v1(82.36,25.92) C66.1 ; v1(54.9,38.88) 54.94,38.92 56.11,38.92 ; v1(137.11,40.67) R146.2 C102.1 138.82,40.63 v1(138.86,40.67) ; R115.2 v1(28.11,40.92) ; R99.2 v1(76.11,24.17) v1(77.36,24.17) R99.2 ; R99.2 v1(77.36,25.42) 77.36,24.42 ; v1(123.36,78.92) R50.2 C36.1 124.32,80.88 ; v1(123.36,78.92) v1(123.36,77.92) ; v1(100.11,78.92) R40.2 C26.1 101.07,80.88 ; v1(100.11,78.92) v1(100.11,77.92) ; v1(152.36,26.92) v1(152.36,27.92) ; 184.57,40.63 C90.1 R126.2 v1(182.86,40.67) ; v1(24.86,15.92) C83.2 26.13,17.89 ; 111.83,87.94 C37.2 v1(113.11,89.92) ; v1(151.86,56.92) C30.2 150.64,54.96 150.61,54.92 ; 134.86,87.92 v1(136.11,87.92) ; 26.11,17.92 v1(24.86,17.92) ; v1(138.61,31.17) 137.11,31.17 ; v1(129.61,26.92) R150.2 C104.1 128.64,24.96 ; v1(129.61,26.92) v1(129.61,27.92) ; R109.2 v1(54.61,25.42) v1(54.61,24.17) ; R109.2 v1(53.36,24.17) v1(54.61,24.17) ; R109.2 53.11,25.42 ; R109.2 v1(54.61,24.17) ; v1(92.36,31.17) 90.86,31.17 ; v1(47.86,15.92) C77.2 49.13,17.89 ; v1(105.61,25.92) 105.61,24.89 ; v1(146.36,78.92) R60.2 C42.1 147.32,80.88 ; v1(146.36,78.92) v1(146.36,77.92) ; v1(154.11,65.17) v1(154.11,66.17) R65.2 ; C19.2 v1(66.86,87.92) ; v1(114.36,74.67) 115.86,74.67 ; C75.2 v1(47.86,17.92) ; C7.2 v1(21.11,87.92) ; v1(70.61,15.92) C71.2 71.88,17.89 ; v1(116.86,15.92) C111.2 118.13,17.89 ; v1(93.61,15.92) C65.2 94.88,17.89 ; 56.11,50.92 56.07,50.88 C58.2 v1(54.86,48.92) ; v1(139.86,15.92) C105.2 141.13,17.89 ; v1(115.61,31.17) 114.11,31.17 ; 191.16,57.87 J4.10 194.28,47.84 v1(194.36,47.92) ; 114.14,65.21 C34.1 R46.2 v1(115.86,65.17) ; 88.61,87.92 v1(89.86,87.92) ; v1(146.9,38.88) 146.94,38.92 148.11,38.92 ; R139.2 v1(168.11,24.17) v1(169.36,24.17) R139.2 ; v1(67.86,65.17) 67.89,65.21 C18.1 R26.2 v1(69.61,65.17) ; R89.2 v1(99.11,24.17) ; v1(46.61,31.17) 45.11,31.17 ; v1(68.11,74.67) 69.61,74.67 ; 180.58,87.94 C55.2 v1(181.86,89.92) ; v1(183.11,74.67) 184.61,74.67 ; v1(91.11,74.67) 92.61,74.67 ; v1(69.36,31.17) 67.86,31.17 ; v1(46.86,40.67) 46.82,40.63 C74.1 R106.2 v1(45.11,40.67) ; 148.13,38.89 C87.2 148.13,35.69 v1(148.11,35.67) ; R75.2 v1(178.61,64.67) ; R135.2 v1(165.86,40.92) ; 191.16,52.72 191.11,52.67 ; R49.2 v1(107.61,81.67) ; 163.86,17.92 v1(162.61,17.92) ; v1(161.36,31.17) 159.86,31.17 ; 163.88,17.89 C99.2 v1(162.61,15.92) ; v1(136.11,89.92) C43.2 134.83,87.94 ; v1(59.36,25.92) C72.1 ; R5.2 v1(17.86,64.92) ; v1(160.11,74.67) 161.61,74.67 ; R155.2 v1(120.11,41.17) ; v1(151.81,66.96) 151.77,66.92 150.61,66.92 ; C47.2 v1(158.86,87.92) ; v1(23.61,31.17) 22.11,31.17 ; R85.2 v1(96.86,40.92) ; v1(22.36,74.67) 23.86,74.67 ; R125.2 v1(188.86,40.92) ; R55.2 v1(132.86,64.92) ; R129.2 v1(191.11,24.17) ; C63.2 v1(93.61,17.92) ; 118.11,17.92 v1(116.86,17.92) ; C103.2 v1(139.86,17.92) ; 42.86,87.92 v1(44.11,87.92)
  vias: v1(1.36,72.92) v1(1.36,68.92) v1(1.36,62.92) v1(1.36,58.92) v1(1.36,46.92) v1(1.36,42.92) v1(1.36,36.92) v1(1.36,32.92) v1(11.36,86.92) v1(11.36,18.92) v1(13.36,103.92) v1(13.36,98.92) v1(13.36,93.92) v1(13.36,54.92) v1(13.36,52.92) v1(13.36,50.92) v1(13.36,11.92) v1(13.36,6.92) v1(13.36,1.92) v1(15.36,54.92) v1(15.36,52.92) v1(15.36,50.92) v1(15.61,17.92) v1(17.36,103.92) v1(17.36,1.92) v1(22.36,103.92) v1(22.36,1.92) v1(26.76,93.12) v1(27.16,10.92) v1(27.36,103.92) v1(27.36,54.92) v1(27.36,52.92) v1(27.36,50.92) v1(27.36,1.92) v1(29.36,54.92) v1(29.36,52.92) v1(29.36,50.92) v1(31.36,74.67) v1(31.86,87.67) v1(32.36,103.92) v1(32.36,1.92) v1(32.61,35.92) v1(32.86,65.42) v1(34.36,29.92) v1(34.36,22.92) v1(35.36,96.92) v1(35.61,74.67) v1(35.86,62.42) v1(36.86,68.67) v1(37.36,103.92) v1(37.36,32.92) v1(37.36,14.42) v1(37.36,1.92) v1(37.86,59.42) v1(38.36,43.92) v1(39.36,19.17) v1(42.36,103.92) v1(42.36,1.92) v1(44.86,11.92) v1(46.36,93.92) v1(50.86,62.92) v1(50.86,59.42) v1(54.36,74.92) v1(55.36,30.92) v1(56.36,74.92) v1(56.86,23.92) v1(57.36,88.92) v1(57.36,16.92) v1(57.86,81.92) v1(58.36,30.92) v1(59.36,74.92) v1(60.36,30.92) v1(61.36,51.92) v1(68.36,11.92) v1(69.86,93.92) v1(72.36,103.92) v1(72.36,1.92) v1(75.61,86.67) v1(77.11,40.92) v1(77.36,103.92) v1(77.36,91.42) v1(77.36,72.92) v1(77.36,1.92) v1(78.11,37.17) v1(78.36,44.17) v1(79.11,31.17) v1(79.36,8.92) v1(80.36,82.92) v1(80.36,75.92) v1(82.36,103.92) v1(82.36,1.92) v1(83.11,39.67) v1(83.11,18.67) v1(83.36,31.17) v1(87.36,103.92) v1(87.36,1.92) v1(87.96,94.92) v1(88.96,13.32) v1(92.36,103.92) v1(92.36,1.92) v1(97.36,103.92) v1(97.36,1.92) v1(99.36,88.92) v1(102.36,103.92) v1(102.36,1.92) v1(103.11,74.42) v1(103.11,65.17) v1(103.11,40.37) v1(103.11,31.12) v1(107.36,103.92) v1(107.36,1.92) v1(107.61,18.42) v1(112.36,103.92) v1(112.36,1.92) v1(117.36,103.92) v1(117.36,1.92) v1(119.16,93.92) v1(120.96,11.12) v1(122.36,103.92) v1(122.36,1.92) v1(123.36,74.67) v1(123.86,87.42) v1(124.11,65.92) v1(126.36,29.92) v1(126.36,22.92) v1(127.36,103.92) v1(127.36,96.92) v1(127.36,1.92) v1(127.61,74.67) v1(127.61,62.17) v1(128.61,68.92) v1(129.36,32.92) v1(129.36,14.42) v1(131.11,19.42) v1(132.36,103.92) v1(132.36,1.92) v1(136.86,11.92) v1(137.36,103.92) v1(137.36,1.92) v1(138.36,93.92) v1(143.61,62.92) v1(146.36,74.92) v1(147.36,30.92) v1(148.36,74.92) v1(148.86,23.92) v1(149.02,42.74) v1(149.36,88.92) v1(149.36,16.92) v1(149.86,81.92) v1(150.36,30.92) v1(151.36,74.92) v1(152.36,63.22) v1(152.36,30.92) v1(155.86,44.42) v1(160.36,11.92) v1(161.86,93.92) v1(162.36,103.92) v1(162.36,1.92) v1(167.11,87.17) v1(167.36,103.92) v1(167.36,1.92) v1(168.11,42.17) v1(169.36,91.42) v1(169.36,72.92) v1(170.36,62.92) v1(170.36,44.42) v1(170.36,36.92) v1(171.11,31.17) v1(171.36,8.92) v1(172.36,103.92) v1(172.36,82.92) v1(172.36,75.92) v1(172.36,1.92) v1(173.61,68.42) v1(174.86,40.42) v1(175.11,18.67) v1(175.36,31.17) v1(177.36,103.92) v1(177.36,1.92) v1(180.36,12.72) v1(181.56,94.92) v1(182.36,103.92) v1(182.36,1.92) v1(187.36,103.92) v1(187.36,1.92) v1(191.61,88.42) v1(193.36,103.92) v1(193.36,98.92) v1(193.36,93.92) v1(193.36,11.92) v1(193.36,6.92) v1(193.36,1.92) v1(195.36,86.92) v1(195.36,18.92) v1(205.36,72.92) v1(205.36,68.92) v1(205.36,62.92) v1(205.36,58.92) v1(205.36,46.92) v1(205.36,42.92) v1(205.36,36.92) v1(205.36,32.92)
